# Altium PCB XTIDA-010086.PcbDoc (part 5 of 17) (continued)
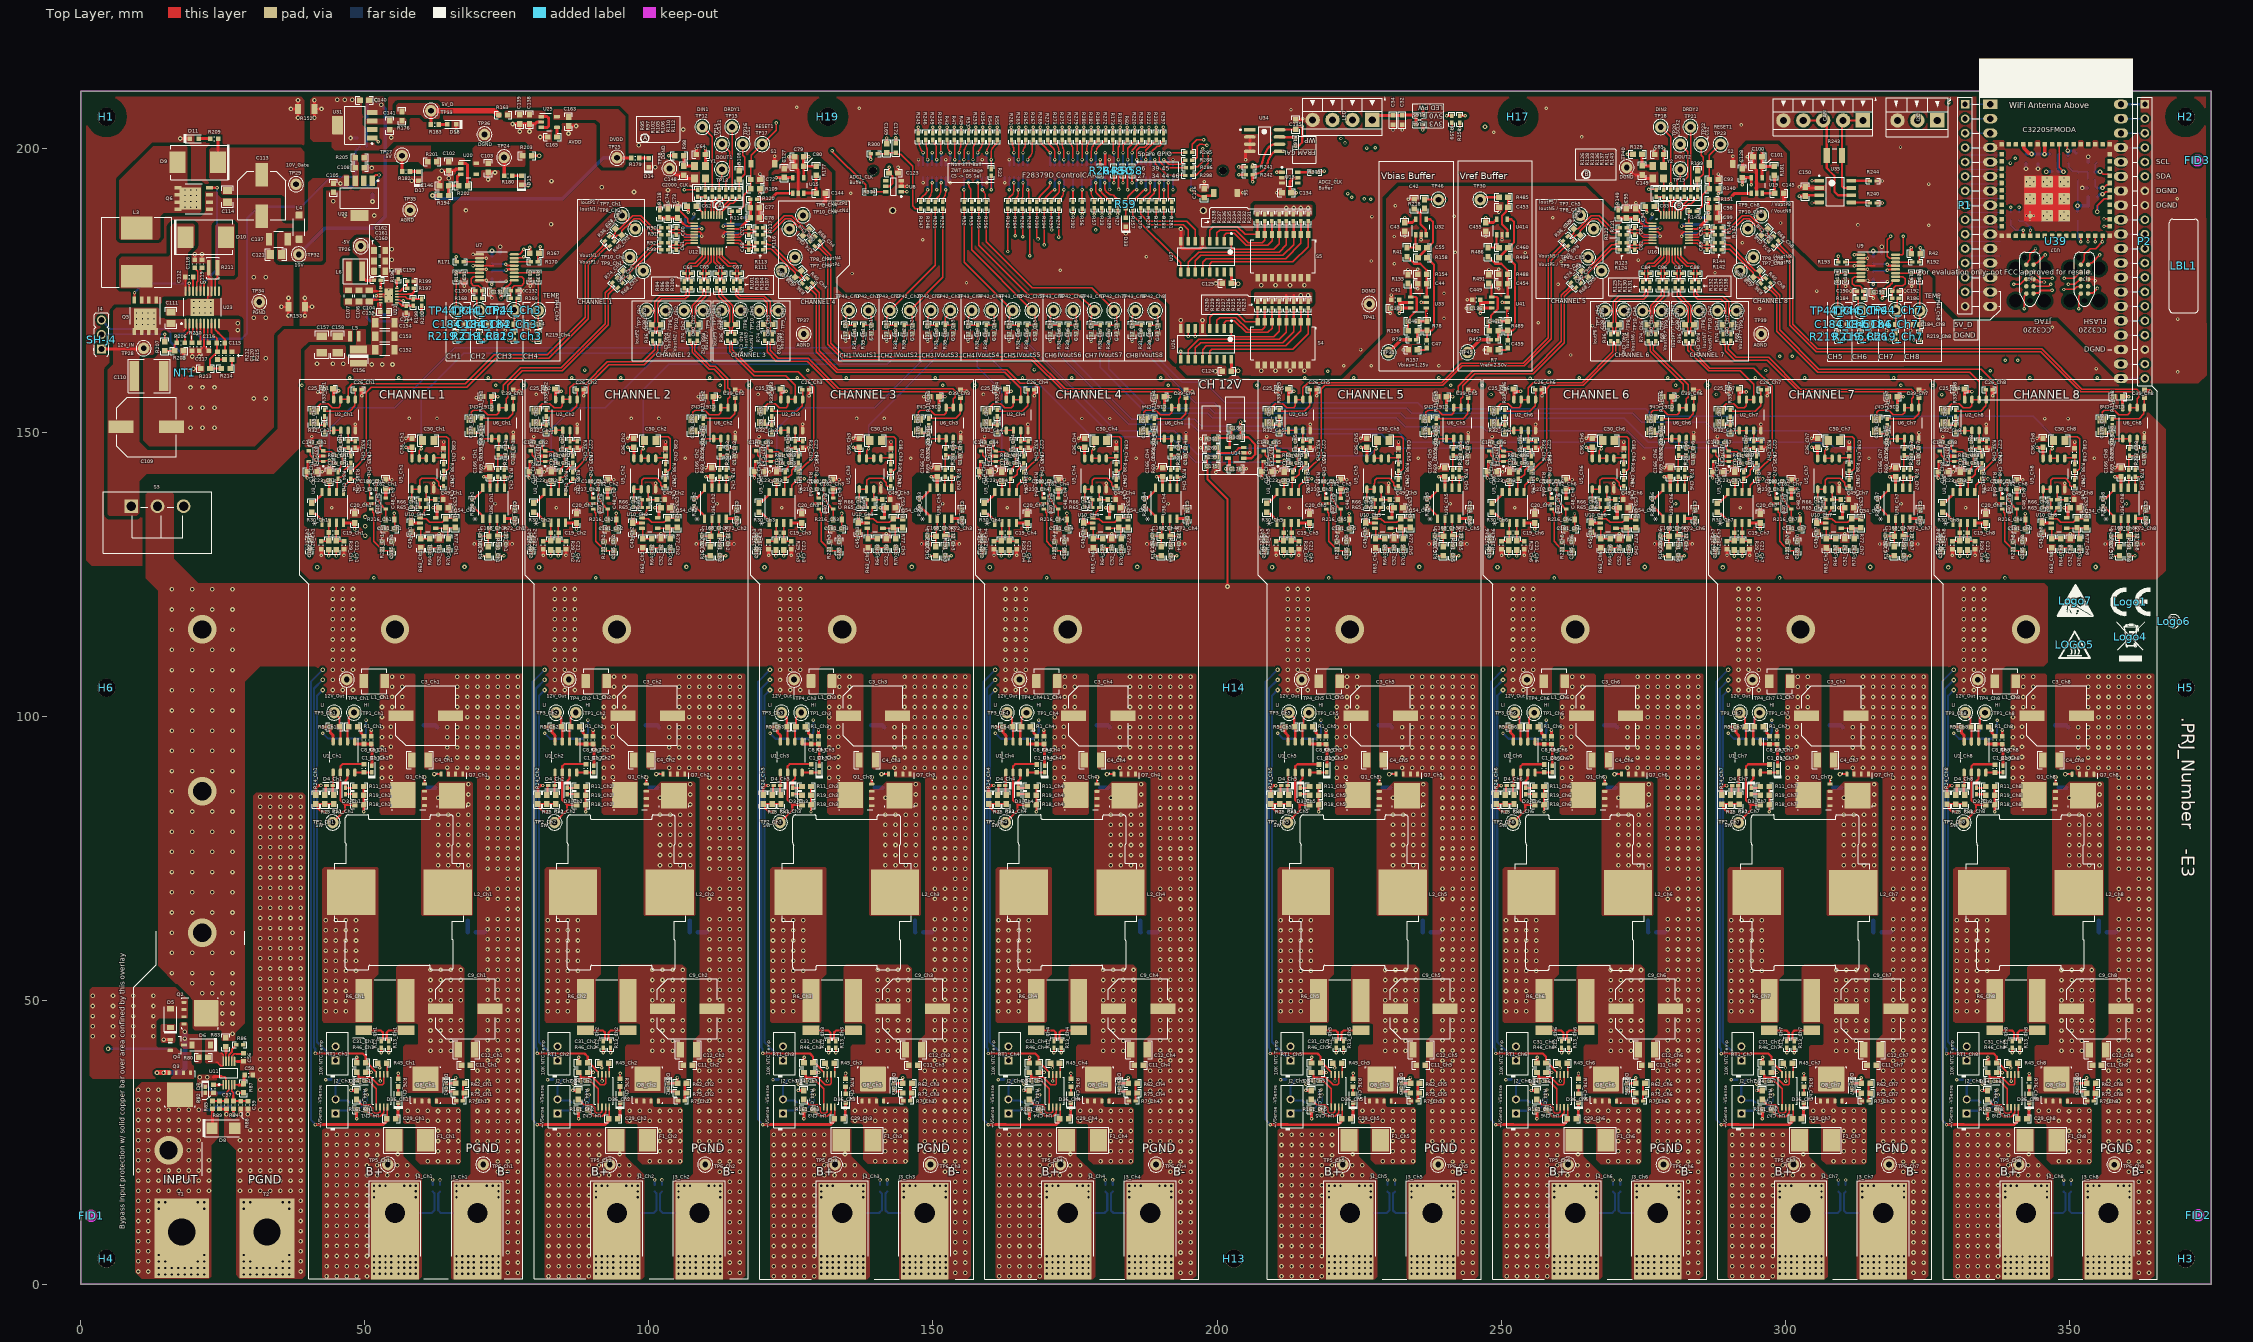
[diagram p0: Top Layer view]
## Footprints (in the part's own frame and the unit in brackets; to place one, negate y for a bottom-side part, rotate by r counter-clockwise, add the part's x,y. Pads: shape width x height; smd on the part's side, far side on the other; paste and mask are expansions set on the pad) (continued)
  silkscreen extent -1.16,-1.17 1.17,1.17
PBS0032A_N [mm]
  oval 1.4x0.3 smd: 1(-3.2,1.75) 2(-3.2,1.25) 3(-3.2,0.75) 4(-3.2,0.25) 5(-3.2,-0.25) 6(-3.2,-0.75) 7(-3.2,-1.25) 8(-3.2,-1.75) 17(3.2,-1.75) 18(3.2,-1.25) 19(3.2,-0.75) 20(3.2,-0.25) 21(3.2,0.25) 22(3.2,0.75) 23(3.2,1.25) 24(3.2,1.75)
  oval 0.3x1.4 smd: 9(-1.75,-3.2) 10(-1.25,-3.2) 11(-0.75,-3.2) 12(-0.25,-3.2) 13(0.25,-3.2) 14(0.75,-3.2) 15(1.25,-3.2) 16(1.75,-3.2) 25(1.75,3.2) 26(1.25,3.2) 27(0.75,3.2) 28(0.25,3.2) 29(-0.25,3.2) 30(-0.75,3.2) 31(-1.25,3.2) 32(-1.75,3.2)
  silkscreen extent -3.6,-2.53 2.53,2.53, body extent -3.5,-3.5 3.5,3.5, height 1.12
POWERPAK_SO-8 [mil] "Vishay PowerPAK SO-8, Body 5.3x6.0mm (max), Pitch 1.27mm, IPC Medium Density"
  rect 50x24 smd mask+2.99: 1(-109.5,75) 2(-109.5,25) 3(-109.5,-25) 4(-109.5,-75)
  rect 48x24 smd mask+2.99: 5(109.5,-75) 8(109.5,75)
  rect 48x24 smd paste-12 mask+2.99: 6(109.5,-25) 7(109.5,25)
  rect 150x154 smd paste-75 mask+2.99: 9(22.5,0)
  silkscreen extent -130,-104 59,104, body extent -121,-102 121,102, height 43
PW8-L [mil]
  rect 46x12 smd paste+0 mask+0: 1(-113,38.39) 2(-113,12.8) 3(-113,-12.8) 4(-113,-38.39) 5(113,-38.39) 6(113,-12.8) 7(113,12.8) 8(113,38.39)
  silkscreen extent -94,-66 94,66, body extent -126,-59 126,59, height 42
PW0016A_M [mm]
  oval 1.6x0.45 smd paste+0 mask+0.051: 1(-3.05,2.275) 2(-3.05,1.625) 3(-3.05,0.975) 4(-3.05,0.325) 5(-3.05,-0.325) 6(-3.05,-0.975) 7(-3.05,-1.625) 8(-3.05,-2.275) 9(3.05,-2.275) 10(3.05,-1.625) 11(3.05,-0.975) 12(3.05,-0.325) 13(3.05,0.325) 14(3.05,0.975) 15(3.05,1.625) 16(3.05,2.275)
  silkscreen extent -3.6,-2.55 1.85,2.75, body extent -3.2,-2.5 3.2,2.5, height 1.13
RESC1608X55X25LL10T15 [mm] "Chip Resistor, 2-Leads, Body 1.60x0.80mm, IPC High Density"
  rect 0.6x0.8 smd: 1(-0.65,0) 2(0.65,0)
  body extent -0.85,-0.45 0.85,0.45, height 0.55
RESC1608X55X25ML10T15 [mm] "Chip Resistor, 2-Leads, Body 1.60x0.80mm, IPC Low Density"
  rect 0.8x1 smd: 1(-0.75,0) 2(0.75,0)
  body extent -0.85,-0.45 0.85,0.45, height 0.55
RESC1608X55X30NL20T20 [mm] "Chip Resistor, 2-Leads, Body 1.60x0.80mm, IPC Medium Density"
  rect 0.9x1 smd: 1(-0.65,0) 2(0.65,0)
  body extent -0.9,-0.5 0.9,0.5, height 0.55
SITIME_SIT8924B_2 [mm] "SMD, 4-Leads, Body 3.2x2.5mm"
  rrect8% 1.2x1.4 smd: 1(-0.95,1.1) 2(-0.95,-1.1) 3(0.95,-1.1) 4(0.95,1.1)
  body extent -1.27,-1.62 1.27,1.62, height 0.8
SM_RADIAL_10AMM [mm] "10 x 7.9mm:  Sanyo Oscon F8"
  rect 4.4x1.9 smd: 1(-4.35,0) 2(4.35,0)
  silkscreen extent -5.25,-5.25 5.25,5.25, body extent -5.25,-5.25 5.25,5.25, height 8
SMA [mm] "Molded Diode, 2-Leads, Body 4.3x2.6mm, IPC Medium Density, based on OnSemi component dimensions and land pattern"
  rect 2x2 smd: 1(-2,0) 2(2,0)
  silkscreen extent -3.66,-1.57 2.79,1.57, body extent -2.6,-1.3 2.6,1.3, height 2.42
SMC [mil] "Molded Diode, 2-Leads, Body 6.9x5.8mm, IPC Medium Density, based on OnSemi component dimensions and land patterns"
  rect 110x150 smd: 1(-140.49,0) 2(140.49,0)
  silkscreen extent -221,-124 189,123, body extent -156,-116 156,116, height 91
SOD-123 [mm] "On Semi recommended land pattern"
  rect 0.915x1.22 smd: 1(-1.637,0) 2(1.637,0)
  silkscreen extent -2.74,-1.17 2.03,1.17, body extent -1.93,-0.9 1.93,0.9, height 1.35
SOD-523 [mm] "NXP Semiconductor recommended land pattern, nominal STEP model"
  rect 0.8x0.6 smd paste-0.05: 1(-0.55,0) 2(0.55,0)
  silkscreen extent -1.65,-0.66 1.2,0.66, body extent -0.8,-0.4 0.8,0.4, height 0.72
SOIC-8_TEX [mil]
  rect 57.5x22 smd paste+0 mask+0: 1(-107.25,75) 2(-107.25,25) 3(-107.25,-25) 4(-107.25,-75) 5(107.25,-75) 6(107.25,-25) 7(107.25,25) 8(107.25,75)
  silkscreen extent -84,-103 84,103
SOT-23 [mm] "SOT23, 3-Leads, Body 2.9x1.3mm, Pitch 0.95mm, Lead Span 2.5mm, IPC Medium Density"
  rrect50% 1x0.6 smd: 1(-1.2,0.95) 2(-1.2,-0.95) 3(1.2,0)
  silkscreen extent -1.62,-1.5 0.7,1.5, body extent -1.16,-1.45 1.21,1.45, height 1
SW_218-8LP [mm] "SMD, 16-Leads, Body 11.33x5.8mm, Pitch 1.27mm"
  rect 1.27x0.76 smd: 1(-3.81,4.445) 2(-3.81,3.175) 3(-3.81,1.905) 4(-3.81,0.635) 5(-3.81,-0.635) 6(-3.81,-1.905) 7(-3.81,-3.175) 8(-3.81,-4.445) 9(3.81,-4.445) 10(3.81,-3.175) 11(3.81,-1.905) 12(3.81,-0.635) 13(3.81,0.635) 14(3.81,1.905) 15(3.81,3.175) 16(3.81,4.445)
  silkscreen extent -2.9,-5.67 2.9,5.9, body extent -4.22,-5.66 4.22,5.66, height 2.62
"SW_ L101011MS02Q" [mm] "SWITCH SLIDE sPST 4A PCB"
  rect 2.416x2.416 hole 1.65: 1(2.857,4.6)
  round 2.416 hole 1.65: 2(2.857,0) 3(2.858,-4.6)
  silkscreen extent -5.4,-9.55 5.4,9.55, body extent -5.39,-9.55 5.39,9.55, height 14.18
SW_TL1015AF160QG [mm] "E-Switch"
  rrect11% 0.95x1.4 smd: 1(-2.075,0) 2(2.075,0)
  body extent -2.3,-1.5 2.3,1.5, height 2
TC2050-NL-SMD_W/MOUNT [mm]
  round 0.8 smd paste-10 mask+0.102: 1(-2.54,-0.635) 2(-1.27,-0.635) 3(0,-0.635) 4(1.27,-0.635) 5(2.54,-0.635) 6(2.54,0.635) 7(1.27,0.635) 8(0,0.635) 9(-1.27,0.635) 10(-2.54,0.635)
  round 0 hole 2.375 mask+0: ""(-3.81,-2.54) ""(-3.81,2.54) ""(1.905,-2.54) ""(1.905,2.54)
  round 0 hole 1 mask+0: ""(-3.81,0) ""(3.81,-1.015) ""(3.81,1.015)
  silkscreen extent -4.81,-1.8 4.77,1.8
TERM_BLK_ED555-3DS [mil]
  rect 100x100 hole 50: 1(0,0)
  round 100 hole 50: 2(138,0) 3(276,0)
  silkscreen extent -93,-161 353,113, body extent -69,-150 345,106, height 323
TERM_BLK_ED555-4DS [mm]
  rect 2.54x2.54 hole 1.27: 1(0,0)
  round 2.54 hole 1.27: 2(3.5,0) 3(7,0) 4(10.5,0)
  silkscreen extent -2.36,-4.09 12.25,2.67, body extent -1.75,-3.8 12.25,2.7, height 8.2
TERM_BLK_ED555-5DS [mm]
  rect 2.54x2.54 hole 1.27: 1(0,0)
  round 2.54 hole 1.27: 2(3.5,0) 3(7,0) 4(10.5,0) 5(14,0)
  silkscreen extent -2.36,-4.09 15.75,2.67, body extent -1.75,-3.8 15.75,2.7, height 8.2
"WE-HCF ROUND_2920" [mm] "SMT High Current Inductor, 2-Leads, body 28x25mm"
  rrect1% 8.5x8 smd: 1(-8.5,0) 2(8.5,0)
  silkscreen extent -11.35,-13.65 11.35,13.65, body extent -11.55,-13.65 11.55,13.65, height 20
WE-LHMI_4020 [mm] "WERTH"
  rrect7% 1.5x2.4 smd: 1(-1.85,0) 2(1.85,0)
  silkscreen extent -2.2,-2.2 2.2,2.2, body extent -2.15,-2.15 2.15,2.15, height 2
WEEE_MINIMUM [mm] "WEEElie bin"
  silkscreen extent -2.42,-4.38 2.52,2.65
WL-SMCW_GREEN [mm] "WURTH"
  rect 0.8x0.8 smd: 1(-0.8,0) 2(0.8,0)
  silkscreen extent -1.9,-0.8 1.2,0.8, body extent -0.85,-0.45 0.85,0.45, height 0.8
WURTH_60900213421 [mil] "Shunt, 2.54mm, Black"
  round 1 on Mech3: 0(0,0)
  body extent -98,-48 98,48, height 236
XFL4020 [mm] "Coilcraft XFL4020 7/18/12"
  rect 0.98x3.4 smd: 1(-1.181,0) 2(1.181,0)
  silkscreen extent -2.16,-2.16 2.16,2.16, body extent -2.15,-2.15 2.15,2.15, height 2.1

## Part data
C1_Ch1 C1_Ch2 C1_Ch3 C1_Ch4 C1_Ch5 C1_Ch6 C1_Ch7 C1_Ch8 C30 C43 C44 C55 C56 C136 C454 C455 C460: "CAP, CERM, 0.1 µF, 25 V, +/- 5%, X7R, 0603", Cap_Case=0603, Manufacturer=Kemet, Supplier Part Number 1=399-1282-1-ND, TempCo=X7R, Tolerance_%=5, Value1=Unknown, Value2=25V, ValueDisplayed=0.1µF, Cap_F=0.0000001, ComponentLink1Description="Datasheet link", ComponentLink1URL=http://www.kemet.com/kemet/web/homepage/kechome.nsf/vapubfiles/F3102_Y5V.pdf/$file/F3102_Y5V.pdf, CompType=Capacitor, MountType=SMT, PackageReference=0603, PartNumber=C0603C104J3RACTU, Polarized=N, Published=2008-06-19, Publisher="Texas Instruments", RoHS=Y, Supplier 1=Digi-Key, Supplier 2=Mouser, Supplier 3=Farnell, Supplier Part Number 2=80-C0603C104J3R, Supplier Part Number 3=1650833, SymbolVersion=2008-07-09, TaMax_C=125, TaMin_C=-55, Technology=Ceramic, U/M=EA, VDC_V=25
  C1_Ch1 C1_Ch2 C1_Ch3 C1_Ch4 C1_Ch5 C1_Ch6 C1_Ch7 C1_Ch8 C56: AEC Category=Q200, AEC Qualified=?, LatestRevisionDate=2016-09-23, SizeArea_mm2=1.28, SizeAreaWB_mm2=4.68, SizeX_mm=1.6, SizeY_mm=0.8, SizeZ_mm=1
  C30 C43 C44 C55 C136 C454 C455 C460: LatestRevisionDate=2015-07-09
C2_Ch1 C2_Ch2 C2_Ch3 C2_Ch4 C2_Ch5 C2_Ch6 C2_Ch7 C2_Ch8: "CAP, CERM, 100 pF, 50 V, +/- 5%, C0G/NP0, 0603", Cap_Case=0603, Manufacturer=MuRata, Supplier Part Number 1=490-1427-1-ND, TempCo=C0G/NP0, Tolerance_%=5, Value1=Unknown, Value2=50V, ValueDisplayed=DNP, AEC Category=Q200, AEC Qualified=?, Cap_F=0.0000000001, ComponentLink1Description="Datasheet link", ComponentLink1URL=http://search.murata.co.jp/Ceramy/PnsearchViewAction.do?HnOFG=ON&HnNFG=ON&SEL_CNT=50&sLang=en&sKey=GRM1885C1H101JA01D&x=9&y=9&search=startwith, CompType=Capacitor, Group=PS, LatestRevisionDate=2016-12-20, MountType=SMT, PackageReference=0603, PartNumber=GRM1885C1H101JA01D, Polarized=N, Published=2008-06-19, Publisher="Texas Instruments", RoHS=Y, SizeArea_mm2=1.28, SizeAreaWB_mm2=4.68, SizeX_mm=1.6, SizeY_mm=0.8, SizeZ_mm=1, Supplier 1=Digi-Key, Supplier 2=Mouser, Supplier 3=Farnell, Supplier Part Number 2=81-GRM39C101J50, Supplier Part Number 3=8819866, SymbolVersion=2008-07-09, TaMax_C=125, TaMin_C=-55, Technology=Ceramic, U/M=EA, VDC_V=50
C3_Ch1 C3_Ch2 C3_Ch3 C3_Ch4 C3_Ch5 C3_Ch6 C3_Ch7 C3_Ch8: library part 25SVPF330M, "330µF 35V Aluminum Polymer Capacitor Radial, Can - SMD 18mOhm 1000 Hrs @ 125°C", Cap_Case=F12, Manufacturer=Panasonic, Supplier Part Number 1=P122136TR-ND, Tolerance_%=20, Value1="0.014 ohm", Value2=35V, ValueDisplayed=330µF, AEC Category=Q200, AEC Grade=N/A, AEC Qualified=N, Cap_F=0.00033, ComponentLink1Description="Datasheet link", ComponentLink1URL=http://industrial.panasonic.com/www-data/pdf/AAB8000/AAB8000CE1.pdf, CompType=Capacitor, ESR_ohm=0.014, Group=PS, IRMS_A=5, LatestRevisionDate=2016-12-22, MountType=SMT, PackageReference="F12, SMD, 2-Leads, Body 10.5x10.5mm, Height 12.7mm", PartNumber=35SVPK330M, Polarized=Y, Publisher="Texas Instruments", RoHS=Y, Series=SVPF, SizeArea_mm2=106.09, SizeAreaWB_mm2=151.29, SizeX_mm=10.3, SizeY_mm=10.3, SizeZ_mm=12.6, Supplier 1=Digi-Key, SymbolVersion=2008-07-09, TaMax_C=105, TaMin_C=-55, Technology="Aluminum Polymer", U/M=EA, VDC_V=35
C4_Ch1 C4_Ch2 C4_Ch3 C4_Ch4 C4_Ch5 C4_Ch6 C4_Ch7 C4_Ch8 C5_Ch1 C5_Ch2 C5_Ch3 C5_Ch4 C5_Ch5 C5_Ch6 C5_Ch7 C5_Ch8 C6_Ch1 C6_Ch2 C6_Ch3 C6_Ch4 C6_Ch5 C6_Ch6 C6_Ch7 C6_Ch8: "CAP, CERM, 22 µF, 25 V, +/- 10%, X7R, 1210", Cap_Case=1210, Manufacturer=MuRata, Supplier Part Number 1=490-5313-1-ND, TempCo=X7R, Tolerance_%=10, Value1=Unknown, Value2=25V, ValueDisplayed=22µF, AEC Category=Q200, AEC Qualified=?, Cap_F=0.000022, ComponentLink1Description="Datasheet link", ComponentLink1URL=http://search.murata.co.jp/Ceramy/PnsearchViewAction.do?HnOFG=ON&HnNFG=ON&SEL_CNT=50&sLang=en&sKey=GRM32ER71E226KE15L&x=9&y=9&search=startwith, CompType=Capacitor, Group=PS, LatestRevisionDate=2016-09-23, MountType=SMT, PackageReference=1210, PartNumber=GRM32ER71E226KE15L, Polarized=N, Published=2008-06-19, Publisher="Texas Instruments", RoHS=Y, SizeArea_mm2=8, SizeAreaWB_mm2=14.7, SizeX_mm=3.2, SizeY_mm=2.5, SizeZ_mm=2.7, Supplier 1=Digi-Key, Supplier 2=Mouser, Supplier 3=Farnell, Supplier Part Number 2=81-GRM32ER71E226KE5L, Supplier Part Number 3=1797019, SymbolVersion=2008-07-09, TaMax_C=125, TaMin_C=-55, Technology=Ceramic, U/M=EA, VDC_V=25
C7_Ch1 C7_Ch2 C7_Ch3 C7_Ch4 C7_Ch5 C7_Ch6 C7_Ch7 C7_Ch8 C11_Ch1 C11_Ch2 C11_Ch3 C11_Ch4 C11_Ch5 C11_Ch6 C11_Ch7 C11_Ch8 C20_Ch1 C20_Ch2 C20_Ch3 C20_Ch4 C20_Ch5 C20_Ch6 C20_Ch7 C20_Ch8 C23_Ch1 C23_Ch2 C23_Ch3 C23_Ch4 C23_Ch5 C23_Ch6 C23_Ch7 C23_Ch8 C29_Ch1 C29_Ch2 C29_Ch3 C29_Ch4 C29_Ch5 C29_Ch6 C29_Ch7 C29_Ch8 C31_Ch1 C31_Ch2 C31_Ch3 C31_Ch4 C31_Ch5 C31_Ch6 C31_Ch7 C31_Ch8 C62 C64 C70 C73 C76 C77 C80 C83 C85 C91 C94 C97 C98 C101 C123 C127 C128 C138 C142 C143 C144 C145 C146 C148 C149: library part CMP-0006752-5, "CAP, CERM, 0.1 uF, 25 V, +/- 5%, X7R, 0603", Cap_Case=0603, Manufacturer=AVX, PartNumber=06033C104JAT2A, Supplier Part Number 1=478-3713-1-ND, TempCo=X7R, Tolerance_%=5%, Value1="0.05 ohm", Value2=25V, ValueDisplayed=0.1uF, AEC Category=Q200, AEC Grade=N/A, AEC Qualified=N, Cap_F=100nF, ComponentLink1Description="Datasheet link", ComponentLink1URL=http://datasheets.avx.com/X7RDielectric.pdf, CompType=Capacitor, ESR_ohm=0.05, LatestRevisionDate=2017-03-09, MountType=SMT, PackageReference=0603, Polarized=N, Published=2008-06-19, Publisher="Texas Instruments", RoHS=Y, SizeArea_mm2=1.28, SizeAreaWB_mm2=4.68, SizeX_mm=1.6, SizeY_mm=0.8, SizeZ_mm=1, Supplier 1=Digi-Key, Supplier 2=Mouser, Supplier 3=Farnell, Supplier Part Number 2=581-06033C104JAT2A, Supplier Part Number 3=1740614, TaMax_C=125°C, TaMin_C=-55°C, Technology=Ceramic, U/M=EA, VDC_V=25V
  C7_Ch1 C7_Ch2 C7_Ch3 C7_Ch4 C7_Ch5 C7_Ch6 C7_Ch7 C7_Ch8 C11_Ch1 C11_Ch2 C11_Ch3 C11_Ch4 C11_Ch5 C11_Ch6 C11_Ch7 C11_Ch8: Group=PS
  C20_Ch1 C20_Ch2 C20_Ch3 C20_Ch4 C20_Ch5 C20_Ch6 C20_Ch7 C20_Ch8 C23_Ch1 C23_Ch2 C23_Ch3 C23_Ch4 C23_Ch5 C23_Ch6 C23_Ch7 C23_Ch8: Group2=CS
  C29_Ch1 C29_Ch2 C29_Ch3 C29_Ch4 C29_Ch5 C29_Ch6 C29_Ch7 C29_Ch8 C31_Ch1 C31_Ch2 C31_Ch3 C31_Ch4 C31_Ch5 C31_Ch6 C31_Ch7 C31_Ch8: Group=RV
C8_Ch1 C8_Ch2 C8_Ch3 C8_Ch4 C8_Ch5 C8_Ch6 C8_Ch7 C8_Ch8 C32 C34 C58 C173: "CAP, CERM, 1 µF, 25 V, +/- 10%, X7R, 0603", Cap_Case=0603, Manufacturer=Kemet, Supplier Part Number 1=399-7376-1-ND, TempCo=X7R, Tolerance_%=10, Value1=Unknown, Value2=25V, ValueDisplayed=1µF, AEC Category=Q200, AEC Qualified=?, Cap_F=0.000001, ComponentLink1Description="Datasheet link", ComponentLink1URL=http://capacitoredge.kemet.com/capedge2/DataSheet/Datasheet-C0603C105K3RACTU.pdf?pn=C0603C105K3RACTU, CompType=Capacitor, LatestRevisionDate=2016-09-23, MountType=SMT, PackageReference=0603, PartNumber=C0603C105K3RACTU, Polarized=N, Published=2008-06-19, Publisher="Texas Instruments", RoHS=Y, SizeArea_mm2=1.28, SizeAreaWB_mm2=4.68, SizeX_mm=1.6, SizeY_mm=0.8, SizeZ_mm=1, Supplier 1=Digi-Key, Supplier 2=Mouser, Supplier 3=Farnell, Supplier Part Number 2=80-C0603C105K3R, Supplier Part Number 3=2118128, SymbolVersion=2008-07-09, TaMax_C=125, TaMin_C=-55, Technology=Ceramic, U/M=EA, VDC_V=25
C9_Ch1 C9_Ch2 C9_Ch3 C9_Ch4 C9_Ch5 C9_Ch6 C9_Ch7 C9_Ch8 C10_Ch1 C10_Ch2 C10_Ch3 C10_Ch4 C10_Ch5 C10_Ch6 C10_Ch7 C10_Ch8: library part 10SVP560M, "560µF 20V Aluminum Polymer Capacitor Radial, Can - SMD 12mOhm 1000 Hrs @ 125°C", Cap_Case=10.3x10.3x12.6, Manufacturer=Panasonic, Supplier Part Number 1=P122119TR-ND, Tolerance_%=20, Value1="0.013 ohm", Value2=20V, ValueDisplayed=560µF, AEC Category=Q200, AEC Qualified=?, Cap_F=0.00056, ComponentLink1Description="Datasheet link", ComponentLink1URL=https://industrial.panasonic.com/content/data/CP/PDF/OS-CON/S_OS-CON_SVP_e.pdf, CompType=Capacitor, ESR_ohm=0.013, Group=PS, IRMS_A=5.23, LatestRevisionDate=2016-09-20, MountType=SMT, PackageReference=10x10.3, PartNumber=20SVF560M, Polarized=Y, Publisher="Texas Instruments", RoHS=Y, Series=SVP, SizeArea_mm2=113.3, SizeAreaWB_mm2=159.9, SizeX_mm=11, SizeY_mm=10.3, SizeZ_mm=7.7, Supplier 1=Digi-Key, SymbolVersion=2008-07-09, TaMax_C=105, TaMin_C=-55, Technology="Aluminum Polymer", U/M=EA, VDC_V=20
C12_Ch1 C12_Ch2 C12_Ch3 C12_Ch4 C12_Ch5 C12_Ch6 C12_Ch7 C12_Ch8 C13_Ch1 C13_Ch2 C13_Ch3 C13_Ch4 C13_Ch5 C13_Ch6 C13_Ch7 C13_Ch8: "CAP, CERM, 47 µF, 10 V, +/- 20%, X7R, 1210", Cap_Case=1210, Manufacturer=MuRata, Supplier Part Number 1=490-6543-1-ND, TempCo=X7R, Tolerance_%=20, Value1=Unknown, Value2=10V, ValueDisplayed=47µF, AEC Category=Q200, AEC Qualified=?, Cap_F=0.000047, ComponentLink1Description="Datasheet link", ComponentLink1URL=http://search.murata.co.jp/Ceramy/image/img/A01X/G101/ENG/GRM32ER71A476ME15-01.pdf, CompType=Capacitor, Group=PS, LatestRevisionDate=2016-09-23, MountType=SMT, PackageReference=1210, PartNumber=GRM32ER71A476ME15L, Polarized=N, Published=2008-06-19, Publisher="Texas Instruments", RoHS=Y, SizeArea_mm2=8, SizeAreaWB_mm2=14.7, SizeX_mm=3.2, SizeY_mm=2.5, SizeZ_mm=2.7, Supplier 1=Digi-Key, Supplier 2=Mouser, Supplier 3=Farnell, Supplier Part Number 2=81-GRM32ER71A476ME5L, Supplier Part Number 3=2362130, SymbolVersion=2008-07-09, TaMax_C=125, TaMin_C=-55, Technology=Ceramic, U/M=EA, VDC_V=10
C14_Ch1 C14_Ch2 C14_Ch3 C14_Ch4 C14_Ch5 C14_Ch6 C14_Ch7 C14_Ch8 C25_Ch1 C25_Ch2 C25_Ch3 C25_Ch4 C25_Ch5 C25_Ch6 C25_Ch7 C25_Ch8 C36_Ch1 C36_Ch2 C36_Ch3 C36_Ch4 C36_Ch5 C36_Ch6 C36_Ch7 C36_Ch8 C45_Ch1 C45_Ch2 C45_Ch3 C45_Ch4 C45_Ch5 C45_Ch6 C45_Ch7 C45_Ch8 C53_Ch1 C53_Ch2 C53_Ch3 C53_Ch4 C53_Ch5 C53_Ch6 C53_Ch7 C53_Ch8 C122 C129 C131 C134 C166_Ch1 C166_Ch2 C166_Ch3 C166_Ch4 C166_Ch5 C166_Ch6 C166_Ch7 C166_Ch8 C167_Ch1 C167_Ch2 C167_Ch3 C167_Ch4 C167_Ch5 C167_Ch6 C167_Ch7 C167_Ch8 C174_Ch1 C174_Ch2 C174_Ch3 C174_Ch4 C174_Ch5 C174_Ch6 C174_Ch7 C174_Ch8 C176 C181_Ch1 C181_Ch2 C181_Ch3 C181_Ch4 C181_Ch5 C181_Ch6 C181_Ch7 C181_Ch8 C182_Ch1 C182_Ch2 C182_Ch3 C182_Ch4 C182_Ch5 C182_Ch6 C182_Ch7 C182_Ch8 C183_Ch1 C183_Ch2 C183_Ch3 C183_Ch4 C183_Ch5 C183_Ch6 C183_Ch7 C183_Ch8 C185_Ch1 C185_Ch2 C185_Ch3 C185_Ch4 C185_Ch5 C185_Ch6 C185_Ch7 C185_Ch8 C188 C189 C191 C194: "CAP, CERM, 0.1 uF, 25 V, +/- 5%, X7R, 0603", Cap_Case=0603, Manufacturer=AVX, PartNumber=06033C104JAT2A, Supplier Part Number 1=478-3713-1-ND, TempCo=X7R, Tolerance_%=5%, Value1="0.05 ohm", Value2=25V, ValueDisplayed=0.1uF, AEC Category=Q200, AEC Grade=N/A, AEC Qualified=N, Cap_F=100nF, ComponentLink1Description="Datasheet link", ComponentLink1URL=http://datasheets.avx.com/X7RDielectric.pdf, CompType=Capacitor, ESR_ohm=0.05, LatestRevisionDate=2017-03-09, MountType=SMT, PackageReference=0603, Polarized=N, Published=2008-06-19, Publisher="Texas Instruments", RoHS=Y, SizeArea_mm2=1.28, SizeAreaWB_mm2=4.68, SizeX_mm=1.6, SizeY_mm=0.8, SizeZ_mm=1, Supplier 1=Digi-Key, Supplier 2=Mouser, Supplier 3=Farnell, Supplier Part Number 2=581-06033C104JAT2A, Supplier Part Number 3=1740614, TaMax_C=125°C, TaMin_C=-55°C, Technology=Ceramic, U/M=EA, VDC_V=25V
  C14_Ch1 C14_Ch2 C14_Ch3 C14_Ch4 C14_Ch5 C14_Ch6 C14_Ch7 C14_Ch8 C25_Ch1 C25_Ch2 C25_Ch3 C25_Ch4 C25_Ch5 C25_Ch6 C25_Ch7 C25_Ch8: Group2=CS
  C36_Ch1 C36_Ch2 C36_Ch3 C36_Ch4 C36_Ch5 C36_Ch6 C36_Ch7 C36_Ch8: Group=ACS, Group2=VSS
  C45_Ch1 C45_Ch2 C45_Ch3 C45_Ch4 C45_Ch5 C45_Ch6 C45_Ch7 C45_Ch8 C53_Ch1 C53_Ch2 C53_Ch3 C53_Ch4 C53_Ch5 C53_Ch6 C53_Ch7 C53_Ch8: Group2=VSS
  C122 C129 C131: Group2=T1
  C166_Ch1 C166_Ch2 C166_Ch3 C166_Ch4 C166_Ch5 C166_Ch6 C166_Ch7 C166_Ch8 C167_Ch1 C167_Ch2 C167_Ch3 C167_Ch4 C167_Ch5 C167_Ch6 C167_Ch7 C167_Ch8 C174_Ch1 C174_Ch2 C174_Ch3 C174_Ch4 C174_Ch5 C174_Ch6 C174_Ch7 C174_Ch8: Group=ACS, Group2=VSD
  C181_Ch1 C181_Ch2 C181_Ch3 C181_Ch4 C181_Ch5 C181_Ch6 C181_Ch7 C181_Ch8 C182_Ch1 C182_Ch2 C182_Ch3 C182_Ch4 C182_Ch5 C182_Ch6 C182_Ch7 C182_Ch8 C183_Ch1 C183_Ch2 C183_Ch3 C183_Ch4 C183_Ch5 C183_Ch6 C183_Ch7 C183_Ch8 C185_Ch1 C185_Ch2 C185_Ch3 C185_Ch4 C185_Ch5 C185_Ch6 C185_Ch7 C185_Ch8: Group=TS
  C188 C189 C191: Group2=T2
C15_Ch1 C15_Ch2 C15_Ch3 C15_Ch4 C15_Ch5 C15_Ch6 C15_Ch7 C15_Ch8 C21_Ch1 C21_Ch2 C21_Ch3 C21_Ch4 C21_Ch5 C21_Ch6 C21_Ch7 C21_Ch8 C22_Ch1 C22_Ch2 C22_Ch3 C22_Ch4 C22_Ch5 C22_Ch6 C22_Ch7 C22_Ch8 C171_Ch1 C171_Ch2 C171_Ch3 C171_Ch4 C171_Ch5 C171_Ch6 C171_Ch7 C171_Ch8 C172_Ch1 C172_Ch2 C172_Ch3 C172_Ch4 C172_Ch5 C172_Ch6 C172_Ch7 C172_Ch8 C180_Ch1 C180_Ch2 C180_Ch3 C180_Ch4 C180_Ch5 C180_Ch6 C180_Ch7 C180_Ch8: "CAP, CERM, 100 pF, 50 V, +/- 5%, C0G/NP0, 0603", Cap_Case=0603, Manufacturer=MuRata, Supplier Part Number 1=490-1427-1-ND, TempCo=C0G/NP0, Tolerance_%=5, Value1=Unknown, Value2=50V, ValueDisplayed=100pF, AEC Category=Q200, AEC Qualified=?, Cap_F=0.0000000001, ComponentLink1Description="Datasheet link", ComponentLink1URL=http://search.murata.co.jp/Ceramy/PnsearchViewAction.do?HnOFG=ON&HnNFG=ON&SEL_CNT=50&sLang=en&sKey=GRM1885C1H101JA01D&x=9&y=9&search=startwith, CompType=Capacitor, MountType=SMT, PackageReference=0603, PartNumber=GRM1885C1H101JA01D, Polarized=N, Published=2008-06-19, Publisher="Texas Instruments", RoHS=Y, SizeArea_mm2=1.28, SizeAreaWB_mm2=4.68, SizeX_mm=1.6, SizeY_mm=0.8, SizeZ_mm=1, Supplier 1=Digi-Key, Supplier 2=Mouser, Supplier 3=Farnell, Supplier Part Number 2=81-GRM39C101J50, Supplier Part Number 3=8819866, SymbolVersion=2008-07-09, TaMax_C=125, TaMin_C=-55, Technology=Ceramic, U/M=EA, VDC_V=50
  C15_Ch1 C15_Ch2 C15_Ch3 C15_Ch4 C15_Ch5 C15_Ch6 C15_Ch7 C15_Ch8: Group=PS, LatestRevisionDate=2016-12-20
  C21_Ch1 C21_Ch2 C21_Ch3 C21_Ch4 C21_Ch5 C21_Ch6 C21_Ch7 C21_Ch8 C22_Ch1 C22_Ch2 C22_Ch3 C22_Ch4 C22_Ch5 C22_Ch6 C22_Ch7 C22_Ch8: Group2=CS, LatestRevisionDate=2016-09-23
  C171_Ch1 C171_Ch2 C171_Ch3 C171_Ch4 C171_Ch5 C171_Ch6 C171_Ch7 C171_Ch8 C172_Ch1 C172_Ch2 C172_Ch3 C172_Ch4 C172_Ch5 C172_Ch6 C172_Ch7 C172_Ch8: Group=ACS, Group2=VSD, LatestRevisionDate=2016-09-23
  C180_Ch1 C180_Ch2 C180_Ch3 C180_Ch4 C180_Ch5 C180_Ch6 C180_Ch7 C180_Ch8: Group=TS, LatestRevisionDate=2016-09-23
C16_Ch1 C16_Ch2 C16_Ch3 C16_Ch4 C16_Ch5 C16_Ch6 C16_Ch7 C16_Ch8 C147_Ch1 C147_Ch2 C147_Ch3 C147_Ch4 C147_Ch5 C147_Ch6 C147_Ch7 C147_Ch8: "CAP, CERM, 1200 pF, 50 V,+/- 10%, X7R, 0402", Cap_Case=0402, Manufacturer=MuRata, Supplier Part Number 1=490-1304-1-ND, TempCo=X7R, Tolerance_%=10, Value2=50V, ValueDisplayed=DNP, AEC Category=Q200, AEC Qualified=?, Cap_F=0.0000000012, ComponentLink1Description="Datasheet link", ComponentLink1URL=http://search.murata.co.jp/Ceramy/PnsearchViewAction.do?HnOFG=ON&HnNFG=ON&SEL_CNT=50&sLang=en&sKey=GRM155R71H122KA01D&x=9&y=9&search=startwith, CompType=Capacitor, Group2=CS, LatestRevisionDate=2017-06-22, MountType=SMT, PackageReference=0402, PartNumber=GRM155R71H122KA01D, Polarized=N, Published=2008-06-19, Publisher="Texas Instruments", RoHS=Y, SizeArea_mm2=0.5, SizeAreaWB_mm2=3, SizeX_mm=1, SizeY_mm=0.5, SizeZ_mm=0.6, Supplier 1=Digi-Key, Supplier 2=Mouser, Supplier Part Number 2=81-GRM15R71H122KA01D, SymbolVersion=2008-07-09, TaMax_C=125, TaMin_C=-55, Technology=Ceramic, U/M=EA, VDC_V=50
C17_Ch1 C17_Ch2 C17_Ch3 C17_Ch4 C17_Ch5 C17_Ch6 C17_Ch7 C17_Ch8 C28_Ch1 C28_Ch2 C28_Ch3 C28_Ch4 C28_Ch5 C28_Ch6 C28_Ch7 C28_Ch8 C40_Ch1 C40_Ch2 C40_Ch3 C40_Ch4 C40_Ch5 C40_Ch6 C40_Ch7 C40_Ch8: "CAP, CERM, 0.01 µF, 25 V,+/- 5%, C0G/NP0, AEC-Q200 Grade 1, 0603", Cap_Case=0603, Manufacturer=Kemet, Supplier Part Number 1=399-14102-1-ND, TempCo=C0G/NP0, Tolerance_%=5, Value2=25V, ValueDisplayed=DNP, AEC Category=Q200, AEC Grade=1, AEC Qualified=Y, Cap_F=0.00000001, ComponentLink1Description="Datasheet link", ComponentLink1URL=https://search.kemet.com/component-edge/download/datasheet/C0603C103J3GECAUTO.pdf, CompType=Capacitor, LatestRevisionDate=2017-06-22, MountType=SMT, PackageReference=0603, PartNumber=C0603C103J3GECAUTO, Polarized=N, Published=2008-06-19, Publisher="Texas Instruments", RoHS=Y, SizeArea_mm2=1.28, SizeAreaWB_mm2=4.68, SizeX_mm=1.6, SizeY_mm=0.8, SizeZ_mm=1, Supplier 1=Digi-Key, Supplier 2=Newark, Supplier 3=Mouser, Supplier Part Number 2=06AC5972, Supplier Part Number 3=80-C0603C103J3GEAUTO, SymbolVersion=2008-07-09, TaMax_C=125, TaMin_C=-55, Technology=Ceramic, U/M=EA, VDC_V=25